# Altium PCB DevKit - PCB.PcbDoc (part 2 of 2)
Units mil, origin at the board's own origin, x right, y up, seen from the top; angles counter-clockwise.
Board outline 3858.27 x 2047.24 mil, 2 copper layers (Top Layer, Bottom Layer), stack 61.855 mil thick; 117 components, 64 nets, 574 pads, 426 vias.
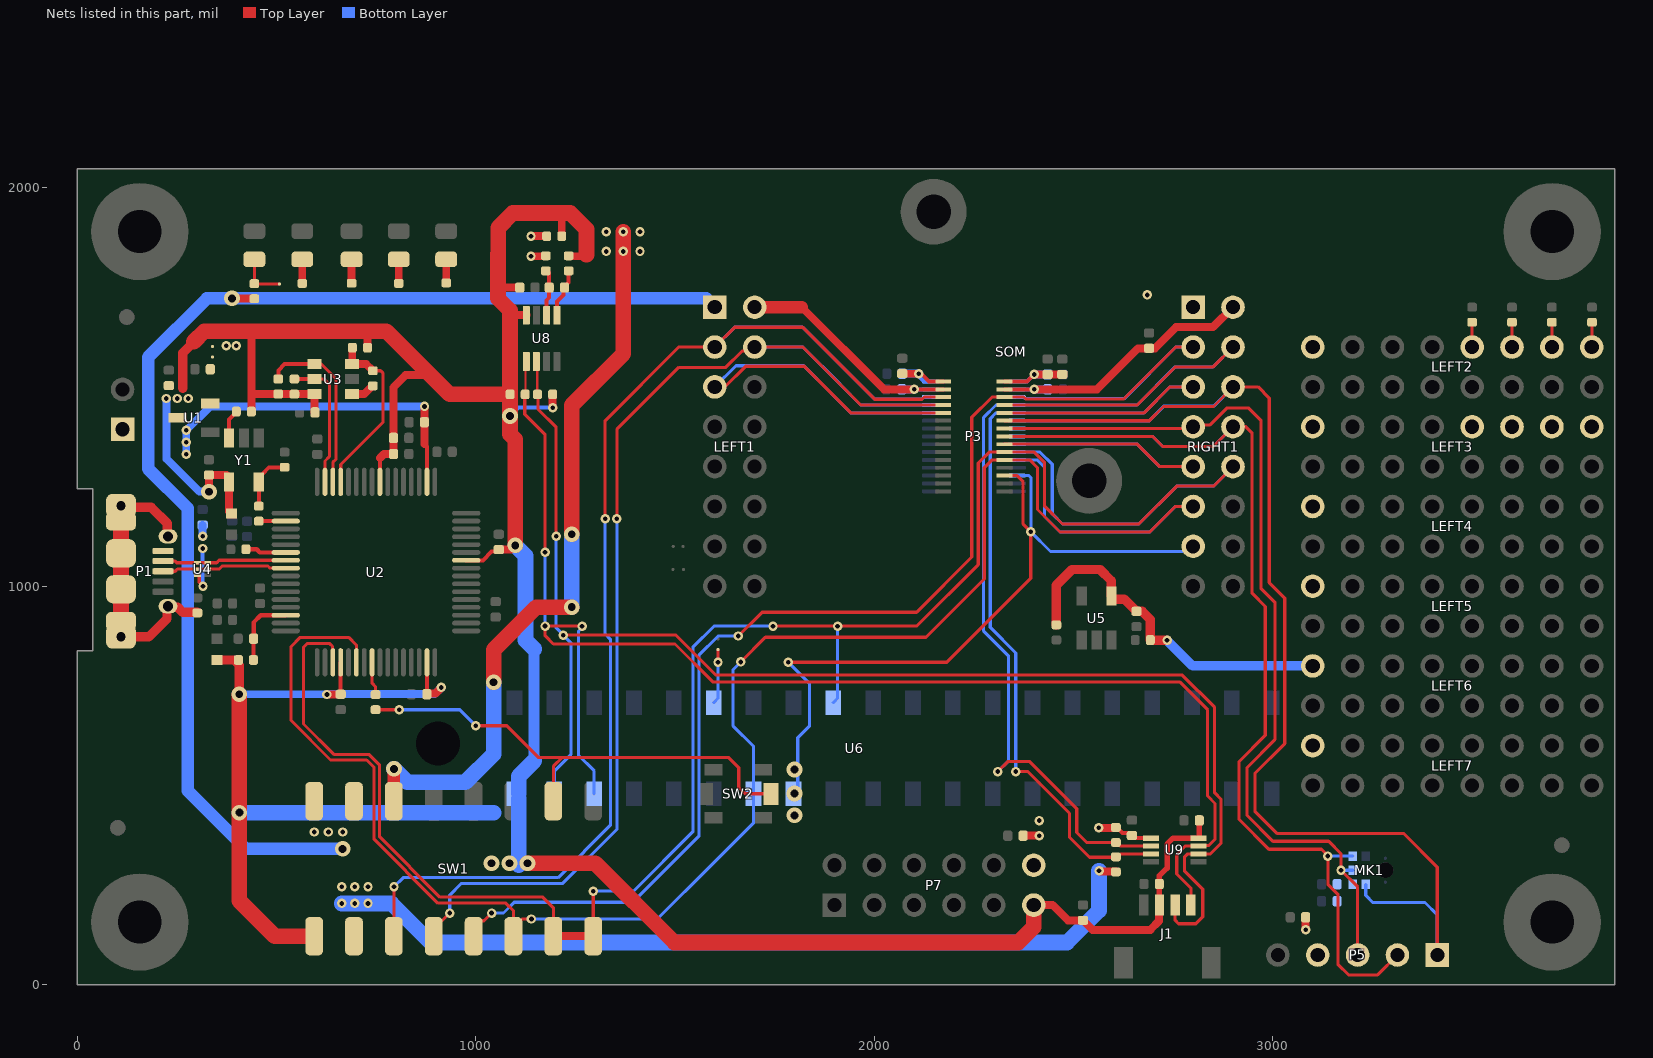
[diagram p2: the nets of this part, all layers, seen from the top]

## Via types
v1: diameter 23.62, hole 11.81, Top Layer to Bottom Layer, tented both sides, 363 vias
v2: diameter 39.37/23.62 (per signal layer), hole 19.68, Top Layer to Bottom Layer, 23 vias
v3: diameter 23.62/23.62 (per signal layer), hole 11.81, Top Layer to Bottom Layer, tented both sides, 21 vias
v4: diameter 39.37, hole 19.68, Top Layer to Bottom Layer, tented both sides, 19 vias

## Nets (pads, with @x,y where several pads share a name; then routed paths per layer and width w, separated by ;. In a path a pad name is that pad's centre, name@x,y a point inside that pad or via, vN(x,y) a via of type N, cw(c..) or ccw(c..) an arc to the next point about the centre after c; other vN are vias at no path point) (continued)
LDO_EN_N: P3.5 RIGHT1.3 SOM.6 SW1.5 | length 3400.9
  Top Layer w7.87: SW1.5@994.88,122.05 994.88,143.06 1012.64,160.82 1020.82,160.82 v1(1040,180) ; v1(1659,875) 1718.76,934.76 2106.31,934.76 2244.78,1073.22 2244.78,1423.78 2295.29,1474.29 SOM.6@2326.77,1474.29 2375.71,1474.29 2380,1470 2626.5,1470 2756.5,1600 RIGHT1.3@2800,1600
  Bottom Layer w7.87: v1(1040,180) 1069.88,180 1096.88,207 1394.32,207 1560,372.68 1560,826.48 1608.52,875 v1(1659,875) ; P3.5@2358.46,1474.29 2375.2,1474.29 2378.77,1470.72 2627.21,1470.72 2756.5,1600 RIGHT1.3@2800,1600
MIC_CLK: MK1.4 P3.11 P5.1 RIGHT1.6 SOM.12 | length 3435.9
  Top Layer w7.87: SOM.12@2326.77,1415.24 2689.87,1415.24 2725.62,1450.98 2850.98,1450.98 RIGHT1.6@2900,1500 2962.94,1500 2991,1471.94 2991,1009 3030,970 3030,605 2955,530 2955,435 3010,380 3327.66,380 3412.6,295.06 P5.1@3412.6,74.8
  Bottom Layer w7.87: P3.11@2358.46,1415.24 2689.84,1415.24 2726.38,1451.77 2851.77,1451.77 RIGHT1.6@2900,1500 ; MK1.4@3232.95,251.97 3232.95,224.28 3250.68,206.55 3381.6,206.55 3412.6,175.55 P5.1@3412.6,74.8
MIC_DOUT: MK1.6 P3.13 P5.3 RIGHT1.7 SOM.14 | length 2732
  Top Layer w7.87: SOM.14@2326.77,1395.55 2795.55,1395.55 RIGHT1.7@2800,1400 2804.02,1404.02 2841.34,1404.02 2884.1,1446.78 2939.52,1446.78 2970,1416.3 2970,995 3005,960 3005,615 2935,545 2935,425 3000,360 3140,360 3170.98,329.02 v1(3170.98,287.4) 3212.6,245.79 P5.3@3212.6,74.8
  Bottom Layer w7.87: P3.13@2358.46,1395.55 2702.05,1395.55 2795.55,1395.55 RIGHT1.7@2800,1400 ; v1(3170.98,287.4) MK1.6@3200.58,287.4
MIC_WS: MK1.1 P3.15 P5.2 RIGHT1.8 SOM.16 | length 3028.9
  Top Layer w7.87: SOM.16@2326.77,1375.87 2697.95,1375.87 2723.43,1350.39 2850.39,1350.39 RIGHT1.8@2900,1400 ; RIGHT1.8@2900,1400 2931.86,1400.03 2947.89,1384 2947.89,982.11 2981,949 2981,626 2915,560 2915,415 2990,340 3121.97,340 3138,323.97 3138,252.12 3163,227.12 3163,51.62 3189.62,25 3262.8,25 P5.2@3312.6,74.8
  Bottom Layer w7.87: P3.15@2358.46,1375.87 2697.95,1375.87 2723.43,1350.39 2850.39,1350.39 RIGHT1.8@2900,1400 ; v1(3138,323) 3200.42,323 MK1.1@3200.58,322.83
NetC3_1: C3.1 SB1.2 U1.2
NetC14_1: C14.1 R8.2 U8.2 | length 120.6
  Top Layer w9.84: R8.2@1176.08,1792.32 1179.44,1792.32 1184.55,1787.21 C14.1@1184.55,1749.32 1184.55,1723.59 1178.25,1717.29 U8.2@1178.25,1679.83
NetC14_2: C14.2 R9.2 U8.1 | length 124.7
  Top Layer w10: U8.1@1203.84,1679.83 1203.84,1713.72 1220.15,1730.03 1220.15,1746.34 C14.2@1223.13,1749.32 1223.13,1751.28 1233.39,1761.54 R9.2@1233.39,1792.32
NetC36_2: C36.2 R11.2 U2.14 | length 182.5
  Top Layer w11.02: R11.2@442.52,814.96 442.72,815.16 442.72,868.11 C36.2@442.91,868.31 442.91,909.05 461.02,927.17 U2.14@523.62,927.17
NetDONE_1: DONE.1 R2.2 SB5.1 | length 124.8
  Top Layer w7.87: DONE.1@444.88,1819.88 R2.2@444.88,1759.06 ; R2.2@445.26,1758.68 R2.2@444.88,1759.06 ; SB5.1@508,1758.3 445.64,1758.3 R2.2@444.88,1759.06
NetGP_0_1: GP_0.1 R19.2 | length 58.9
  Top Layer w19.68: R19.2@926.18,1761.02 GP_0.1@926.18,1819.88
NetGP_1_1: GP_1.1 R18.2 | length 60
  Top Layer w19.68: R18.2@807.09,1759.84 GP_1.1@807.09,1819.88
NetGP_2_1: GP_2.1 R17.2 | length 59.8
  Top Layer w19.68: R17.2@688.98,1760.04 GP_2.1@688.98,1819.88
NetINT_1: INT.1 R16.2 | length 60
  Top Layer w19.68: R16.2@564.96,1759.84 INT.1@564.96,1819.88
NetLEFT2_9: LEFT2.9 R10.1 | length 62.2
  Top Layer w7.87: LEFT2.9@3500,1600 R10.1@3500,1662.2
NetLEFT2_11: LEFT2.11 R20.1 | length 62.2
  Top Layer w7.87: LEFT2.11@3600,1600 R20.1@3600,1662.2
NetLEFT2_13: LEFT2.13 R25.1 | length 62.2
  Top Layer w7.87: LEFT2.13@3700,1600 R25.1@3700,1662.2
NetLEFT2_15: LEFT2.15 R26.1 | length 62.5
  Top Layer w7.87: LEFT2.15@3800,1600 3800.78,1600.78 R26.1@3800.78,1662.2
NetP1_SH: P1.SH R3.2 | length 665.6
  Top Layer w23.62: P1.SH@110.24,873.03 180.27,873.03 225.78,918.54 225.78,947.24 P1.SH@228.35,949.8 230.61,947.54 251.93,947.54 265.18,934.28 R3.2@302,934.28 ; P1.SH@110.24,1201.77 114.27,1197.74 186.26,1197.74 226.76,1157.24 226.76,1126.59 P1.SH@228.35,1125
  Top Layer w39.37: P1.SH@110.24,911.94 P1.SH@110.24,992.13 P1.SH@110.24,1082.68 P1.SH@110.24,1162.86
NetR1_1: R1.1 R29.2 U2.61 U3.3 | length 446.2
  Top Layer w7.87: U2.61@661.42,1261.81 661.42,1305.42 768,1412 768,1534 761.53,1540.47 742.21,1540.47 R1.1@742.13,1540.55
  Top Layer w19.68: R29.2@690.75,1598.43 690.35,1598.03 690.35,1557.48 U3.3@689.96,1557.09 725.59,1557.09 739.76,1542.91 739.76,1541.93 741.14,1540.55 R1.1@742.13,1540.55
NetR1_2: R1.2 U3.1 | length 60.6
  Top Layer w19.68: U3.1@689.96,1482.28 720.67,1482.28 741.14,1502.76 R1.2@742.13,1502.76
NetR4_1: R4.1 U2.24 | length 84.8
  Top Layer w7.87: U2.24@740.16,809.06 740.16,756.1 749,747.26 R4.1@749,727.95
NetR21_1: R21.1 R23.1 Y1.5 | length 147.1
  Top Layer w10: R21.1@456,1200.9 R21.1@456,1200.9 455.96,1261.33 Y1.5@455.92,1261.37 455.92,1272.2 463.71,1280 482.11,1298.39 R23.1@520.87,1298.39
NetR21_2: R21.2 U2.2 | length 67.7
  Top Layer w10: R21.2@456,1163.1 456.14,1163.24 523.48,1163.24 U2.2@523.62,1163.39
NetR22_2: R22.2 U2.6 | length 103.3
  Top Layer w11.02: R22.2@423.62,1092.52 450.79,1092.52 458.66,1084.65 U2.6@523.62,1084.65
NetR24_2: R24.2 Y1.3 | length 74.2
  Top Layer w10: Y1.3@381.11,1371.61 381.11,1418.28 399.62,1436.79 R24.2@399.62,1438.1
NetR27_2: R27.2 U2.63 U3.5 | length 342.7
  Top Layer w7.87: U3.5@595.47,1519.69 595.54,1519.61 620.39,1519.61 633,1507 633,1325 622.05,1314.05 U2.63@622.05,1261.81
  Top Layer w10: R27.2@545.28,1519.69 U3.5@595.47,1519.69
NetR28_2: R28.2 U2.62 U3.4 | length 449.8
  Top Layer w7.87: U3.4@595.47,1557.09 613.3,1557.09 649.61,1520.78 649.61,1318.61 641.73,1310.73 U2.62@641.73,1261.81
  Top Layer w10: R28.2@504.92,1519.88 504.92,1541.14 520.87,1557.09 U3.4@595.47,1557.09
NetSB4_1: SB4.1 U6.12 | length 137.5
  Top Layer w8: v1(1608,809.06) SB4.1@1608,841
  Bottom Layer w8: U6.12@1597.24,707.99 1608,718.75 v1(1608,809.06)
PIX_RESET_N: LEFT1.4 P3.8 SOM.7 SW1.4 | length 3080.2
  Top Layer w7.87: SW1.4@894.88,122.05 894.88,143.95 912.64,161.71 916.71,161.71 v1(935,180) ; v1(1354.33,1169.29) 1354.33,1393.38 1509.87,1548.92 1627.29,1548.92 1668.58,1590.21 1690.21,1590.21 LEFT1.4@1700,1600 1821,1600 1966.39,1454.61 SOM.7@2173.23,1454.61
  Bottom Layer w7.87: v1(935,180) 935,224.84 964.62,254.46 1218.46,254.46 1355,391 1355,883.17 1354.33,883.84 v1(1354.33,1169.29) ; LEFT1.4@1700,1600 1821,1600 1914.37,1506.63 1914.37,1505.89 1965.66,1454.61 P3.8@2141.54,1454.61
PROG_CRAM: P3.21 RIGHT1.11 SOM.22 SW1.6 U2.22 U6.13 | length 4765.7
  Top Layer w7.87: U2.22@700.79,809.06 700.79,852.36 681.39,871.76 560.15,871.76 537,848.61 537,663.03 636.03,564 726.36,564 745.22,545.13 745.22,365.16 905.38,205 1075.92,205 1094.88,186.04 SW1.6@1094.88,143.06 ; SW1.6@1094.88,122.05 SW1.6@1094.88,143.06 ; v1(1140,165) 1116.82,165 SW1.6@1094.88,143.06 ; v1(1665,810) 1727,872 2130,872 2276,1018 2276,1297 2295.81,1316.81 SOM.22@2326.77,1316.81 2390.19,1316.81 2409.62,1297.38 2409.62,1192.34 2465.96,1136 2691,1136 2755,1200 RIGHT1.11@2800,1200
  Bottom Layer w7.87: v1(1140,165) 1456,165 1591,300 1697.24,406.24 U6.13@1697.24,479.25 1697.24,597.73 1646,648.97 1646,791 v1(1665,810) ; P3.21@2358.46,1316.81 2408.19,1316.81 2427,1298 2427,1174.96 2465.96,1136 2691,1136 2755,1200 RIGHT1.11@2800,1200
PROGN: P3.19 RIGHT1.10 SOM.20 SW1.7 SW1.8 U2.19 U6.18 | length 5145.3
  Top Layer w7.87: U2.19@641.73,809.06 640.98,809.81 640.98,849.02 634,856 577,856 568,847 568,654.33 644.32,578.01 731.83,578.01 759,550.84 759,371.27 910.27,220 1168.36,220 1194.88,193.48 SW1.7@1194.88,122.05 ; SW1.8@1294.88,122.05 1294.94,122.11 1294.94,234.94 v1(1295,235) ; v1(1746,899.9) 1907.9,899.9 1908,900 2107,900 2261,1054 2261,1309 2288.5,1336.5 SOM.20@2326.77,1336.5 2401.03,1336.5 2427.44,1310.09 2427.44,1200.75 2472.18,1156 2664,1156 2759,1251 2851,1251 RIGHT1.10@2900,1300
  Top Layer w19.68: SW1.7@1194.88,122.05 SW1.8@1294.88,122.05
  Bottom Layer w7.87: v1(1295,235) 1395.86,235 1545,384.14 1545,847 1597.9,899.9 v1(1746,899.9) ; U6.18@1897.24,707.99 1907.95,718.7 v1(1908,899.9) v1(1908,899.9) ; P3.19@2358.46,1336.5 2415.94,1336.5 2446.61,1305.83 2446.61,1181.57 2472.18,1156 2664,1156 2759,1251 2851,1251 RIGHT1.10@2900,1300
RESET_N: P3.25 R4.2 RIGHT1.13 SOM.26 SW1.10 SW2.1 U6.15 | length 3196.4
  Top Layer w7.87: R4.2@749,690.16 749.16,690 v1(808,690) ; v1(1000,650) 1078.35,650 1158.38,569.97 1216.73,569.97 ; SW1.10@1194.88,460.63 1194.88,548.11 1216.73,569.97 ; SW2.1@1740.69,479.25 1675.75,479.25 1660,495 1660,545 1635.03,569.97 1216.73,569.97 ; v1(1784.45,809.06) 2181.91,809.06 2392.77,1019.92 v1(2392.77,1136.49) 2373.62,1155.63 2373.62,1262.38 2358.56,1277.44 SOM.26@2326.77,1277.44
  Bottom Layer w7.87: v1(808,690) 960,690 v1(1000,650) ; v1(1784.45,809.06) 1838,755.5 1838,650 1807.99,619.99 1807.99,540 U6.15@1807.99,479.25 ; P3.25@2358.46,1277.44 2388.39,1277.44 2393,1272.83 2393,1136.72 v1(2392.77,1136.49) 2442.34,1086.92 2773.07,1086.92 2786.15,1100 RIGHT1.13@2800,1100
  other v2: 1800,425 1800,480 1800,540
SCL: J1.4 R12.1 U6.5 U8.5 U9.7 | length 3569.2
  Top Layer w5.91: R12.1@1123.03,1481.3 1125.05,1483.32 1125.05,1561.67 U8.5@1127.07,1563.69
  Top Layer w7.87: R12.1@1123.03,1481.3 1123.03,1431.12 1174.21,1379.94 v1(1174.21,1085.19) ; v1(1267,899.9) 1266.9,900 v1(1174.21,900) 1174.21,875.79 1195,855 1500,855 1595,760 2766.03,760 2836.26,689.77 2836.26,473.74 2855,455 2855,365 2839.32,349.32 2814.58,349.32 U9.7@2813.38,348.12 2780.12,348.12 2759,327 2759,278 2794.3,242.7 J1.4@2794.3,200
  Bottom Layer w7.87: v1(1174.21,900) v1(1174.21,1085.19) ; v1(1267,899.9) 1267,896.41 1258,887.41 1258,575.82 1297.24,536.58 U6.5@1297.24,479.25
SDA: J1.3 R13.1 U6.3 U8.6 U9.6 | length 3587.1
  Top Layer w5.91: U8.6@1152.66,1563.69 1154.58,1561.77 R13.1@1154.58,1483.22
  Top Layer w7.87: R13.1@1154.58,1483.22 1156.5,1481.3 1156.5,1444.29 1201.97,1398.82 v1(1201.97,1125) ; v1(1220.15,877.21) 1502.79,877.21 1603,777 2773,777 2854,696 2854,481.38 2870,465.38 2870,355 2843.43,328.43 U9.6@2813.38,328.43 2786.43,328.43 2778,320 2778,285.79 2824.02,239.77 2824.02,170.47 2806.9,153.35 2763.19,153.35 2754.93,161.61 J1.3@2754.93,200
  Bottom Layer w7.87: U6.3@1197.24,479.25 1197.24,535.83 1239,577.58 1239,858.36 1201.97,895.39 v1(1201.97,1125)
SENSOR_INTR: LEFT1.5 P3.10 SOM.9 | length 1256
  Top Layer w7.87: LEFT1.5@1600,1500 1625.62,1500 1677.39,1551.77 1824.23,1551.77 1941.08,1434.92 SOM.9@2173.23,1434.92
  Bottom Layer w7.87: LEFT1.5@1600,1500 1653.15,1553.15 1822.85,1553.15 1892.72,1483.28 1892.72,1482.57 1940.37,1434.92 P3.10@2141.54,1434.92
SENSOR_LED: P3.17 RIGHT1.9 SOM.18 | length 962.8
  Top Layer w7.87: SOM.18@2326.77,1356.18 2327.75,1357.16 2658.88,1357.16 2716.04,1300 RIGHT1.9@2800,1300
  Bottom Layer w7.87: P3.17@2358.46,1356.18 2359.28,1357 2659,1357 2716,1300 RIGHT1.9@2800,1300
SOM_SCL: P3.7 R14.1 RIGHT1.4 SOM.8 U9.2 | length 2775.5
  Top Layer w7.87: v1(2310,535) 2335,560 2390,560 2508,442 2508,382 2532.91,357.09 2608.19,357.09 2617.16,348.12 U9.2@2694.5,348.12 ; SOM.8@2326.77,1454.61 2660.12,1454.61 2755.71,1550.2 2850.2,1550.2 RIGHT1.4@2900,1600
  Bottom Layer w7.87: v1(2310,535) 2337,562 2337,824.63 2274.41,887.22 2274.41,1423.41 2305.61,1454.61 P3.7@2358.46,1454.61 2659.61,1454.61 2755.2,1550.2 2850.2,1550.2 RIGHT1.4@2900,1600
SOM_SDA: P3.9 R15.1 RIGHT1.5 SOM.10 U9.3 | length 2421.5
  Top Layer w7.87: SOM.10@2326.77,1434.92 2677.05,1434.92 2742.13,1500 RIGHT1.5@2800,1500 ; v1(2355,535) 2385,535 2490,430 2490,370 2540.12,319.88 2610.63,319.88 2619.18,328.43 U9.3@2694.5,328.43
  Bottom Layer w7.87: v1(2355,535) 2355,832.49 2290.85,896.63 2290.85,1420.37 2305.41,1434.92 P3.9@2358.46,1434.92 2676.92,1434.92 2742,1500 RIGHT1.5@2800,1500
USB_N: P1.2 U2.7 U4.3 U4.4 | length 312.4
  Top Layer w7.87: P1.2@215.55,1062.99 246.06,1062.99 250.31,1058.75 U4.4@302.2,1058.75 350.1,1058.75 356.31,1064.96 U2.7@523.62,1064.96
USB_P: P1.3 U2.8 U4.2 U4.5 | length 315.7
  Top Layer w7.87: P1.3@215.55,1037.4 246.06,1037.4 251.66,1043 U4.5@302.2,1043 356.62,1043 364.22,1050.59 478.93,1050.59 484.25,1045.28 U2.8@523.62,1045.28
VDD12: C32.1 LEFT1.2 LEFT5.1 P3.4 SOM.3 | length 631
  Top Layer w9.84: v1(2100,1493.98) SOM.3@2173.23,1493.98
  Top Layer w20: 1818.13,1700 2024.15,1493.98 v1(2100,1493.98)
  Top Layer w31.5: LEFT1.2@1700,1700 1818.13,1700
  Bottom Layer w9.84: v1(2100,1493.98) P3.4@2141.54,1493.98
  Bottom Layer w20: C32.1@2069.21,1493.85 2069.27,1493.91 2099.93,1493.91 v1(2100,1493.98)
VDD18: C16.1 C17.1 C18.1 C27.1 C29.1 C37.1 LEFT3.1 MK1.5 P3.3 P5.4 R14.2 R15.2 RIGHT1.2 SOM.4 SW1.2 U9.1 | length 3024.9
  Top Layer w10: SOM.4@2326.77,1493.98 v1(2401.31,1493.98) ; R14.2@2606.3,393.7 2610.05,393.7 2622.74,381.01 2641.43,381.01 2646.46,375.98 2647.45,375.98 2655.63,367.8 U9.1@2694.5,367.8
  Top Layer w19.68: v1(2562.96,393.7) R14.2@2606.3,393.7 ; v1(2563.98,285.8) 2565.04,285.8 2566.19,284.65 2606.1,284.65 R15.2@2606.3,284.45
  Top Layer w20: v1(2401.31,1493.98) 2558.55,1493.98 2661.48,1596.91 C37.1@2689.4,1596.91 2704.51,1596.91 2757.6,1650 2850,1650 RIGHT1.2@2900,1700 ; v1(3082.28,137.87) C18.1@3082.28,169.29
  Bottom Layer w10: P3.3@2358.46,1493.98 v1(2401.31,1493.98)
  Bottom Layer w20: v1(2401.31,1493.98) 2401.35,1493.93 2434.81,1493.93 C27.1@2434.86,1493.88
  Bottom Layer w39.37: v1(664,204.16) v1(697,204.16) v1(730,204.16) 788.92,204.16 886.99,106.08 2483.8,106.08 2563.98,186.26 v1(2563.98,285.8)
  other v1: 664,246.14 697,246.14 730,246.14
VDD33: C1.1 C6.1 C7.1 C8.1 C12.1 C13.1 C15.1 C19.1 C22.1 C25.2 C28.1 C34.1 C35.2 C39.2 FB1.2 FB2.2 J1.2 LEFT2.1 LEFT3.9 LEFT3.11 LEFT3.13 LEFT3.15 LEFT6.1 LEFT7.1 P2.1 P7.11 P7.12 R5.2 R6.2 R7.1 R9.1 R11.1 R12.2 R13.2 R24.1 R27.1 R28.1 R29.1 SB1.1 SW1.1 U2.20 U2.31 U2.42 U2.56 U3.6 U5.4 U6.1 U8.4 U9.8 Y1.4 | length 10076.4
  Top Layer w10: C7.1@661.42,728.94 U2.20@661.42,809.06 ; U2.56@759.99,1261.96 759.99,1321.41 ; C8.1@877.95,729.13 877.95,729.53 U2.31@877.95,809.06 ; U2.42@976.38,1064.96 1017.96,1064.96 1040.22,1087.22 1053.51,1087.22 C34.1@1058,1091.71 ; 1055.86,1751.4 1057.93,1749.32 ; 1086.42,1679.32 1086.93,1679.83 ; 1216.04,1935.84 1216.53,1936.33
  Top Layer w13.78: J1.2@2715.35,200.19 2715.35,252.76 C12.1@2715.16,252.95 2715.25,253.05 2715.25,273.65 2734.6,292.99 2734.6,352.72 2749.68,367.8 U9.8@2813.38,367.8 2814.05,367.8 2815.55,369.3 C28.1@2815.55,412.4
  Top Layer w20: v4(331,1237) C35.2@331,1278.71 374.6,1278.71 381.11,1272.2 Y1.4@381.11,1261.37 381.11,1187.48 386.02,1182.57 FB2.2@387,1182.57 ; R24.1@437.41,1438.1 437.41,1482.09 ; 438.86,1640 437.41,1638.55 437.41,1482.09 ; C25.2@597.05,1436.02 596.26,1436.81 596.26,1481.1 595.28,1482.09 545.47,1482.09 R27.1@545.28,1481.89 545.18,1481.99 505.02,1481.99 R28.1@504.92,1482.09 437.41,1482.09 ; v1(626.97,728.35) 627.26,728.64 661.12,728.64 C7.1@661.42,728.94 ; 726.64,1640 728.54,1638.09 R29.1@728.54,1598.43 ; 759.99,1321.41 770.28,1331.69 C6.1@793.7,1331.69 793.7,1499 824.53,1529.82 886.18,1529.82 888.22,1527.78 ; C8.1@877.95,729.13 C8.1@877.56,729.13 877.95,729.53 878.98,730.55 878.98,731.09 899.09,731.09 v1(914,746) ; 1055.86,1834.27 1056.61,1835.02 ; C34.1@1057.48,1091.93 1088.78,1091.93 v4(1099.21,1102.36) ; 1057.93,1749.32 C15.1@1110.63,1749.32 ; 1086.93,1679.83 U8.4@1127.07,1679.83 ; R13.2@1193.11,1481.3 1193.16,1481.25 v1(1193.2,1447.75) v1(1193.2,1447.75) ; R7.1@1216.04,1878.05 1216.04,1935.84 ; R9.1@1233.39,1827.76 1233.43,1827.8 1274.17,1827.8 1277.98,1831.61 ; C13.1@2373.62,374.02 v1(2414,374) ; P7.11@2400,200 2447.76,200 2485.95,161.81 C19.1@2523.62,161.81 2525.2,161.81 2526.61,160.39 2526.61,158.82 2547.57,137.87 2692.52,137.87 2714.69,160.04 2714.69,199.54 J1.2@2715.35,200.19
  Top Layer w23.62: 265,1497 265,1585 293,1613 ; FB1.2@351.38,814.96 394.21,814.96 407.13,802.04 v4(407.13,728.98) ; R6.2@2457,902.9 2457,1002.81 2496.19,1042 2566.59,1042 2594.8,1013.8 2594.8,975.72 U5.4@2595.39,975.12 2595.4,968.69 2596.39,967.7 2627.27,967.7 2656.72,938.25 2656.72,937.46 2657.12,937.07 C39.2@2657.91,937.07 2671.93,937.07 2692.62,916.38 R5.2@2692.62,864.88 2693.02,864.49 2696.45,864.49 2696.83,864.1 v1(2734.6,864.1)
  Top Layer w39.37: 293,1613 320,1640 438.86,1640 726.64,1640 776,1640 886.18,1529.82 ; v4(407.13,728.98) 407.13,210.78 495.87,122.05 SW1.1@594.88,122.05 ; 888.22,1527.78 934.7,1481.3 R12.2@1086.42,1481.3 ; 1055.86,1834.27 1055.86,1751.4 1055.86,1722.05 1086.42,1691.49 1086.42,1679.32 R12.2@1086.42,1481.3 ; 1056.61,1835.02 1056.61,1899.56 1093.38,1936.33 1216.53,1936.33 1237.46,1936.33 1277.98,1895.8 1277.98,1831.61 ; v4(1099.21,1102.36) 1099.21,1368.27 1086.42,1381.07 R12.2@1086.42,1481.3 ; v4(1130,305) 1300,305 1499,106 2361,106 2400,145 P7.11@2400,200
  Bottom Layer w10: v4(1086,1427) 1086.21,1427 1106.95,1447.75 v1(1193.2,1447.75)
  Bottom Layer w20: v1@225,1470.71 225,1319 307,1237 v4(331,1237) ; v4@407.16,728.96 626.35,728.96 v1(626.97,728.35) ; v1@626.97,728.94 627.17,729.13 897.13,729.13 v1(914,746)
  Bottom Layer w23.62: v1(2734.6,864.1) 2798.7,800 LEFT6.1@3100,800
  Bottom Layer w27.56: 1147,562 1147,842.22
  Bottom Layer w39.37: v4(407.16,432) 1045,432 ; v4(1099.21,1102.36) 1125.05,1076.53 1125.05,864.17 1147,842.22 ; 1108,300 U6.1@1108,468.24 ; U6.1@1107.99,479.26 1107.99,512.55 1108,523 1147,562
  other v1: 2414,412 224,1471 251.5,1471 279,1471 374.6,1603.07 399.62,1603.07
  other v4: 1040,305 1085,305
VDD33_SOM: C11.1 C26.1 C31.1 P3.1 R7.2 R8.1 RIGHT1.1 SOM.2 SW1.14 | length 2184.2
  Top Layer w10: SOM.2@2326.77,1513.66 2383.73,1513.66 v1(2401.31,1531.23)
  Top Layer w19.68: SW1.14@794.88,460.63 SW1.14@795.08,460.83
  Top Layer w20: v1(1138.78,1827.76) R8.1@1176.08,1827.76 ; v1(1138.78,1878.05) R7.2@1178.25,1878.05 ; v1(2401.31,1531.23) C31.1@2434.84,1531.23 C11.1@2471.85,1531.23
  Top Layer w31.5: SW1.14@795.08,460.83 795.08,541.57 v4(795.28,541.77)
  Top Layer w39.37: v4(1045.23,758.86) 1045.23,840.74 1152.03,947.54 v4(1241.24,947.54) ; v4(1241.24,1130.51) 1241.24,1454.03 1370.06,1582.86 v1(1370.06,1839.82) v1(1370.06,1889)
  Bottom Layer w9.84: P3.1@2358.46,1513.66 2383.73,1513.66 v1(2401.31,1531.23)
  Bottom Layer w20: v1@2401.33,1531.26 C26.1@2434.86,1531.28
  Bottom Layer w39.37: v4(795.28,541.77) 829.04,508 974.06,508 1045.23,579.17 v4(1045.23,758.86) ; v4(1241.24,947.54) v4(1241.24,1130.51)
  other v1: 2685,1730.81 1327.76,1839.82 1412.37,1839.82 1327.76,1889 1412.37,1889
VDD_IR_LED: LEFT1.3 P3.6 SOM.5 SW1.3 | length 3413.2
  Top Layer w7.87: SW1.3@794.88,122.05 794.88,245.75 v1(795.28,246.14) ; v1(1324.8,1169.29) 1324.8,1415.16 1509.65,1600 LEFT1.3@1600,1600 1649.61,1649.61 1820.39,1649.61 2001.12,1468.88 2119.24,1468.88 2124.66,1474.29 SOM.5@2173.23,1474.29
  Bottom Layer w7.87: v1(795.28,246.14) 818.14,269 1207,269 1338,400 1338,867 1324.8,880.2 v1(1324.8,1169.29) ; LEFT1.3@1600,1600 1649.61,1649.61 1820.39,1649.61 1939.79,1530.21 2001.12,1468.88 2118.71,1468.88 2123.14,1473.31 2140.55,1473.31 P3.6@2141.54,1474.29
VDDIO: C30.1 C33.1 LEFT1.1 LEFT4.1 P3.2 R2.1 SOM.1 SW1.15 SW1.16 | length 3320.2
  Top Layer w10: v1(2112,1533) 2118,1533 2137.34,1513.66 SOM.1@2173.23,1513.66
  Top Layer w19.68: v4(388.77,1722.05) 389.17,1721.65 444.49,1721.65 R2.1@444.88,1721.26
  Top Layer w20: C30.1@2070.24,1533.25 2070.49,1533 v1(2112,1533)
  Bottom Layer w10: v1(2112,1533) 2114.61,1530.39 2114.61,1524.02 2124.96,1513.66 P3.2@2141.54,1513.66
  Bottom Layer w20: C33.1@2070.19,1533.22 2070.32,1533.08 2111.92,1533.08 v1(2112,1533)
  Bottom Layer w31.5: v4(666.34,341) 423.42,341 278,486.42 278,1195 178.64,1294.36 178.64,1574.64 326.05,1722.05 v4(388.77,1722.05) 1577.95,1722.05 LEFT1.1@1600,1700
  other v1: 594.88,383.25 630.61,383.25 666.34,383.25
VDDUSB: C2.1 C38.1 P1.1 U1.3 U2.50 U4.6 | length 1033
  Top Layer w7.87: U4.6@302.2,1027.25 306.14,1027.25 306.54,1026.86 306.54,1009.46 v1(316,1000)
  Top Layer w9.84: 871.65,1356.3 877.95,1350 U2.50@877.95,1261.81
  Top Layer w20: 871.65,1356.3 C38.1@871.65,1411.52 v1(871.65,1451)
  Bottom Layer w10: v1(315.16,1094.57) 315.16,1000.84 v1(316,1000)
  Bottom Layer w20: v1(274,1331.38) v1(274,1391) 334,1451 v1(871.65,1451) ; C2.1@315,1153.71 315.23,1153.48 315.23,1125.23 v1(315.45,1125)
  other v1: 274,1361.19
pads on no net: J1.NC1 J1.NC2 LEFT2.2 LEFT2.3 LEFT2.4 LEFT2.5 LEFT2.6 LEFT2.7 LEFT2.8 LEFT3.2 LEFT3.3 LEFT3.4 LEFT3.5 LEFT3.6 LEFT3.7 LEFT3.8 LEFT3.10 LEFT3.12 LEFT3.14 LEFT4.2 LEFT4.3 LEFT4.4 LEFT4.5 LEFT4.6 LEFT4.7 LEFT4.8 LEFT4.9 LEFT4.10 LEFT4.11 LEFT4.12 LEFT4.13 LEFT4.14 LEFT4.15 LEFT5.2 LEFT5.3 LEFT5.4 LEFT5.5 LEFT5.6 LEFT5.7 LEFT5.8 LEFT5.9 LEFT5.10 LEFT5.11 LEFT5.12 LEFT5.13 LEFT5.14 LEFT5.15 LEFT6.2 LEFT6.3 LEFT6.4 LEFT6.5 LEFT6.6 LEFT6.7 LEFT6.8 LEFT6.9 LEFT6.10 LEFT6.11 LEFT6.12 LEFT6.13 LEFT6.14 LEFT6.15 LEFT7.2 LEFT7.3 LEFT7.4 LEFT7.5 LEFT7.6 LEFT7.7 LEFT7.8 LEFT7.9 LEFT7.10 LEFT7.11 LEFT7.12 LEFT7.13 LEFT7.14 LEFT7.15 MK1. P1.4 SOM.M1 SOM.M2 SW2.G1 SW2.G2 SW2.G3 SW2.G4 U2.3 U2.26 U2.27 U2.28 U2.29 U2.30 U2.32 U2.33 U2.34 U2.36 U2.43 U2.44 U2.45 U2.46 U2.48 U2.52 U2.53 U2.54 U2.55 U2.57 U2.58 U2.59 U2.60 U6.2 U6.4 U6.7 U6.11 U6.17 U6.22 U6.26 U6.29 U6.31 U6.32 U6.33 U6.36 U6.37 U6.40 U6.MH1 Y1.2 Z_FDM1.1 Z_FDM2.1 Z_FDM3.1 Z_FDM4.1 Z_FDM5.1 Z_FDM6.1

## Polygon pours and split planes (outlines as drawn)
GND on Top Layer "GND_L01" (solid, remove dead copper, pour order 35): 0,1244.09 39.37,1244.09 39.28,1244 39.28,838.58 0,838.58 0,0 3858.27,0 3858.27,2047.24 0,2047.24
VDD33_SOM on Top Layer "VDD18_L02" (solid, remove dead copper, pour order 25): 2464.92,1520 2464.92,1542 2512.24,1542 2544.23,1573.99 2544.23,1696.26 2593.97,1746 2824.54,1746 2832.44,1738.1 2832.44,1672.29 2829.38,1669.22 2741.42,1669.22 2722.92,1687.72 2613.32,1687.72 2589.59,1663.98 2589.59,1555.44 2554.15,1520
VDDIO on Top Layer "VDDIO_L01_P028" (solid, remove dead copper, pour order 28): 2206.06,1647.06 2416.72,1857.72 2947.42,1857.72 3141,1664.15 3141,1257.51 3116.9,1233.41 3082.02,1233.41 3066.61,1218 3066.28,1162.79 3082.9,1146.16 3219.57,1145.34 3254.61,1180.37 3254.61,1670.54 3017.74,1907.4 2392.6,1907.4 2261.4,1776.2 1551.2,1776.2 1535.66,1760.66 1535.66,1640 1610.89,1640 1645.62,1674.73 1645.62,1725.1 1655.52,1735 2066.64,1735 2100,1701.64 2100,1525 2116,1509 2192.81,1509 2206.06,1522.1
VDD33 on Top Layer "VDD33_L01" (solid, remove dead copper, pour order 23): 208.79,1519.54 125.23,1435.98 64.67,1435.98 49.21,1420.53 49.21,1340.6 64.07,1325.74 171.66,1325.74 186.26,1340.34 186.26,1426.9 217.76,1458.39 286.99,1458.39 300.43,1471.83 300.43,1519.54
VDD12 on Top Layer "VDD12_L01_P032" (solid, remove dead copper, pour order 32): 2173.23,1489.05 2173.23,1498.97 2204.78,1499 2221.95,1516.18 2221.95,1640.07 2423.45,1841.57 2942.03,1841.57 3055,1728.6 3055,1058.4 3074.81,1038.59 3114.67,1038.59 3132.2,1021.06 3132.2,981.2 3115,964 3073.67,964 3012.64,1025.03 3012.64,1705.36 2922.01,1795.99 2453.01,1795.99 2265.85,1608.82 2265.85,1516.77 2238.12,1489.05
VDD33_SOM on Top Layer "VDD18_L02" (solid, remove dead copper, pour order 21): 1308.27,1914.14 1308.27,1805.7 1430.27,1805.7 1440.45,1815.87 1440.45,1903.81 1430.11,1914.14
VDDIO on Top Layer "VDDIO_L01" (solid, remove dead copper, pour order 17): 520.87,325.92 546,300.78 721,300.78 721,523.06 697.06,547 553,547 520.87,514.87
VDDUSB on Top Layer "VDDUSB_L01_P027" (solid, remove dead copper, pour order 27): 293.17,1421.36 293.17,1231.47 328.92,1195.72 328.92,1089.84 319.95,1080.87 200.39,1080.87 200.13,1096.4 247.46,1096.4 262.18,1111.12 262.18,1168.23 205.03,1225.38 205.03,1422.03 221.1,1438.1 276.43,1438.1
GND on Bottom Layer "GND_L02" (solid, remove dead copper, pour order 36): 5,1241 44.37,1241 44.28,1240.91 44.28,835.49 5,835.49 5,-3.09 3863.27,-3.09 3863.27,2044.15 5,2044.15
VDD33 on Bottom Layer "VDD33_L02" (solid, remove dead copper, pour order 26): 2362,393 2362,439 2423.36,439 2420.76,619.88 2445.88,645 3229.53,645 3250.68,666.15 3250.68,732.31 3233.63,749.35 3053.37,749.35 3032.76,769.96 3032.76,830.76 3052.19,850.18 3229.61,850.18 3250.68,871.24 3250.68,1515.86 3216.34,1550.2 3080.2,1550.2 3059.53,1570.86 3059.53,1656.65 3081.15,1678.27 3312.32,1678.27 3348,1642.6 3348,578.22 3314.13,544.35 2483.99,544.35 2470,530.36 2470,179 2457,166 2375,166 2362,179
VDD18 on Bottom Layer "VDD18_L02" (solid, remove dead copper, pour order 22): 3155.31,127.38 3212.91,184.98 3212.91,265.56 3149.85,265.64 3149.85,191.52 3128.76,170.43 3092.03,171.57 3049.28,214.33 3049.28,299.67 3135.55,385.94 3667.55,385.95 3744.4,462.8 3744.4,1632.67 3592.07,1785 2846.46,1785 2846.46,1663 2954.77,1663 2974.32,1643.45 2974.32,1385.8 2997.95,1362.16 3120.57,1362.16 3144.45,1386.05 3144.45,1435.62 3121.12,1458.96 3062.53,1458.96 3037,1484.49 3037,1695.76 3065.95,1724.7 3552.29,1724.71 3649,1628 3649,480 3609.79,440.79 3111.42,441.5 3055.86,385.94 2637.27,385.94 2604.18,419.03 2535.89,419.03 2517.02,400.16 2517.02,294.74 2534.03,277.74 2586.6,277.74 2637.99,329.12 2989.06,329.38 3004.75,313.69 3004.75,180.96 3059,126.72 3059,63 3080,42 3133,42 3155.32,64.32
VDD33 on Bottom Layer "VDD33_L02_P034" (solid, remove dead copper, pour order 34): 3626,1453 3635,1444 3635,1359 3626,1350 3251,1350 3252,1351 3252,1453
VDD18 on Bottom Layer "VDD18_L02" (solid, remove dead copper, pour order 33): 658.81,280.19 643.68,265.06 643.68,177.41 660.67,160.41 731.68,160.41 747.45,176.19 747.25,266.21 733.27,280.19
VDDIO on Bottom Layer "VDD18_L02" (solid, remove dead copper, pour order 30): 538.73,406.06 538.73,315.44 554.23,299.94 720.15,299.94 720.15,406.06
VDD33_SOM on Bottom Layer "VDD18_L02" (solid, remove dead copper, pour order 24): 2745.21,1663 2721.8,1686.41 2019.34,1686.41 1900.19,1805.57 1112.39,1805.57 1094.49,1823.47 1094.49,1896.84 1111.85,1914.2 1112.33,1913.73 1937.76,1913.73 2066.49,1785 2832.52,1785 2832.52,1663
FT_VDD18 on Bottom Layer "FT_VDD18_L02_P019" (solid, remove dead copper, pour order 19): 1090,977 1080.78,986.22 1013.78,986.22 1002.39,997.61 1002.39,1192.39 918.21,1276.57 918.21,1379.98 908.73,1389.46 881.46,1389.46 871.65,1379.65 871.65,1236.87 939.36,1169.16 939.36,874.5 904.88,840.02 584.09,840.02 558.97,865.14 558.97,1132.55 617.62,1191.19 617.62,1344.45 610.74,1351.33 559.69,1351.33 553.11,1344.75 553.11,1192.87 520.89,1160.65 520.89,985.89 507.88,972.88 421.7,972.88 413.69,964.87 413.69,936.45 422.98,927.17 507.53,927.17 520.89,913.8 520.89,814.4 550.12,785.17 956.57,785.17 1002.39,830.99 1002.39,934.56 1014.6,946.77 1082.08,946.77 1090,954.69

## Keep-outs
Keep-Out Layer:
  the board outline again, w10

## Other copper
Top Layer:
  rectangle net ID_SCL: 2370,798 2470,883
  rectangle net GPIO_2: 2868,620 2928,770
  rectangle net RESET_N: 1725,450 1820,510
  rectangle net RESET_N: 1770,400 1830,565
  rectangle net GPIO_1: 1467,665 1527,780
  rectangle net GPIO_0: 1372,665 1427,795
  rectangle net VDD33: 1015,280 1160,330
  pour cut-out: 2255,1430 2255,1420 2200.61,1420.01 2200.61,1430
  pour cut-out: 1080,939.56 1080,948.66 1016.65,948.66 1016.85,939.56
  pour cut-out: 1585,825 1575,825 1575.01,879.39 1585,879.39
  region net HOST_SSN: 2120.38,746 2225,746 2225,681 2189,645 2120.38,645
  pour cut-out: 1078.7,942.5 1078.7,911 1086,911 1087.8,912.8 1087.8,942.7
  pour cut-out: 406.7,1162.5 435.1,1162.5 436.6,1161 436.6,1158.6 407.1,1158.6 406.2,1157.7
  pour cut-out: 2121.7,989.8 2121.5,989.6 2121.5,968.1 2126.2,968.1 2129,970.9 2129,990.3
  pour cut-out: 2312.9,995.2
  pour cut-out: 2301.4,979.2 2333.3,979.2 2334.3,978.2 2332.8,976.7 2332.8,970.7 2300.9,970.7 2299.4,969.2
  pour cut-out: 1600,889.3 1600.01,889.29 1649.61,889.29 1649.61,883.84 1607.99,883.84
  region net VDD33: 3579,1453 3569,1443 3569,1361 3580,1350 3822,1350 3831,1359 3831,1443 3821,1453
  region: 3573,1451
  region: 3573,1451
  region net VDD33: 318,1600 318,1590.67 414,1590.67 414,1616.67 334.67,1616.67
  region net VDD33: 2359.28,427.29 2359.28,358.27 2437.6,358.27 2437.6,417.13 2427.44,427.29
  pour cut-out: 1252,754
  pour cut-out: 2909,1667 2910,1666 2910,1532 2896,1532 2895,1531 2895,1667
  pour cut-out: 1123,1729 1123,1712 1122,1711 1118,1711 1118,1729
  pour cut-out: 472,1805 472,1771 483,1771 483,1805
  pour cut-out: 532,1798 532,1764 543,1764 543,1798
  region net NetC3_1: 322,1584 322,1482 310,1470 310,1446.65 357.08,1446.65 360,1449.57 360,1582 358,1584
  region: 316,1592
  region: 334,1613
  pour cut-out: 1152,1907 1126,1907 1126,1840 1152,1840
  pour cut-out: 1389.81,1504.81 1525,1640 1567,1640 1567,1633 1409.31,1476.5 1154.58,1476.5 1154.58,1503.68
  region net VDD18: 660.29,62.71 644,79 644,290 749.01,290 748.66,77.85 733.52,62.71
Bottom Layer:
  rectangle net HOST_SSN: 2125.15,645 2225,746
  rectangle net GPIO_2: 2855,620 2945,770
  rectangle net RESET_N: 1770,400 1830,565
  rectangle net GPIO_1: 1467,665 1527,780
  rectangle net GPIO_0: 1372,665 1427,795
  pour cut-out: 2782.6,502.6 2782.3,502.9 2782.3,553.7 2767.6,553.7 2768.5,552.8 2768.5,502.3
  pour cut-out: 2736.6,533.4 2736.9,533.7 2787.7,533.7 2787.7,548.4 2786.8,547.5 2736.3,547.5
  pour cut-out: 2290.16,512.33 2370,512.8 2370,535 2289.68,535
  region net ID_SCL: 2368,678 2415,678 2430,693 2430,890 2368,890
  region net VDD33: 1015,480 1015,280 1160,280 1160,505 1040,505
  region net VDDUSB: 256.67,1413.72 310.72,1413.72 310.72,1269.83 256.67,1323.88
  pour cut-out: 1876.5,925.6 1876.7,925.4 1940.2,925.4 1940.2,920.1 1940,919.9 1939.2,920.7 1875.7,920.7
  pour cut-out: 2827.4,442.4 2827.7,442.1 2827.7,391.3 2842.4,391.3 2841.5,392.2 2841.5,442.7
  pour cut-out: 2823,440.9
  pour cut-out: 2778.6,650.5 2778.6,791.7 2785.2,798.3 2795.8,798.3 2795.8,652.6 2792.9,649.7
  pour cut-out: 3324.3,1716.4 3324.4,1716.3 3324.4,1678 3318,1678 3315.9,1680.1 3315.9,1716.3
  pour cut-out: 3327.5,1717.5
  region net VDD33: 207,1454 213,1448 296,1448 416,1568 416,1631.24 410.24,1637 348,1637 342,1631 342,1581 279,1518 212,1518 207,1513
  pour cut-out: 3145,1360 3131,1360 3131,1363 3145,1377 3145,1393 3242,1393 3242,1360

## Silkscreen, mask and mechanical layers (free items; w line width, h text height)
Top Overlay:
  drawing of 4152 lines, arcs and shapes, not listed
  text "INT" at 3775.98,1649.25 h39.37 r90
  text "GP1" at 3568.33,1647.15 h39.37 r90
  text "GP0" at 3466.59,1644.37 h39.37 r90
  text "GP2" at 3672.15,1645.06 h39.37 r90
  text "VDD33" at 2956.69,1590.55 h39.37
  text "GND" at 3385,1440 h39.37
  text "VDD18" at 2956.69,1389.76 h39.37
  text "VDD33" at 3345,1340 h39.37
  text "GND" at 3768.76,1238.75 h39.37
  text "VDDIO" at 2964.57,1188.98 h39.37
  text "GND" at 3768.76,1039 h39.37
  text "VDD12" at 2956.69,988.19 h39.37
  text "GND" at 3768.76,838.42 h39.37
  text "VDD33" at 2947.83,790.35 h39.37
  text "GND" at 3768.76,639 h39.37
  text "Vision SoM breakout board" at 1595,595 h99.37
  text "VDD33" at 2952.76,588.58 h39.37
  text "4" at 858.92,535.21 h39.37
  text "1" at 582.03,535.1 h39.37
  text "2" at 681.44,535.1 h39.37
  text "3" at 768.08,535.1 h39.37
  text "5" at 991.48,534.11 h39.37
  text "6" at 1085.97,534.11 h39.37
  text "7" at 1192.27,534.11 h39.37
  text "8" at 1284.79,534.11 h39.37
  text "GND" at 3768.76,439 h39.37
  text "PMOD" at 2078.74,377.95 h50
  text "FPGA RESET" at 1535.74,334.71 h47.24
  text "Mic" at 3250.67,209.69 h50
  text "PROGN" at 1190.59,30.56 h39.37
  text "LDO" at 963.48,26.34 h39.37
  text "CRAM" at 1053.48,27.04 h39.37
  text "3.3V" at 550.98,23.88 h39.37
  text "1.8V" at 659.45,23.88 h39.37
  text "IRLED" at 744.09,23.44 h39.37
  text "RST" at 860.24,23.88 h39.37
Bottom Overlay:
  circle w10: c780.53,1389.53 r60
  lines w10: 739.53,1350.53 818.53,1429.53
  text "W" at 832.46,1610.54 h150
  text "Pb" at 818.53,1357.6 h100
Drill Drawing:
  drawing of 271 lines, arcs and shapes, not listed
  text "Layer" at 5438.8,3221.71 h60
  text "Name" at 5848.71,3221.71 h60
  text "Material" at 6778.45,3221.71 h60
  text "Thickness" at 7638.22,3221.71 h60
  text "Constant" at 8288.06,3221.71 h60
  text "Board Layer Stack" at 8857.92,3221.71 h60
  text "Top Overlay" at 5848.71,3101.71 h60
  text "Top Solder" at 5848.71,2981.71 h60
  text "Solder Resist" at 6778.45,2981.71 h60
  text "0.40mil" at 7638.22,2981.71 h60
  text "3.5" at 8288.06,2981.71 h60
  text "1" at 5438.8,2861.71 h60
  text "Top Layer" at 5848.71,2861.71 h60
  text "Copper" at 6778.45,2861.71 h60
  text "1.40mil" at 7638.22,2861.71 h60
  text "Dielectric 1" at 5848.71,2741.71 h60
  text "FR-4" at 6778.45,2741.71 h60
  text "59.06mil" at 7638.22,2741.71 h60
  text "4.8" at 8288.06,2741.71 h60
  text "2" at 5438.8,2621.71 h60
  text "Bottom Layer" at 5848.71,2621.71 h60
  text "Copper" at 6778.45,2621.71 h60
  text "1.40mil" at 7638.22,2621.71 h60
  text "Bottom Solder" at 5848.71,2501.71 h60
  text "Solder Resist" at 6778.45,2501.71 h60
  text "0.40mil" at 7638.22,2501.71 h60
  text "3.5" at 8288.06,2501.71 h60
  text "Bottom Overlay" at 5848.71,2381.71 h60
  text "Symbol" at 5447.73,1740.14 h72
  text "Count" at 5953.61,1740.14 h72
  text "Hole Size" at 6553.45,1740.14 h72
  text "Plated" at 7703.11,1740.14 h72
  text "Hole Type" at 8208.99,1740.14 h72
  text "Drill Layer Pair" at 8942.79,1740.14 h72
  text "Via/Pad" at 10442.34,1740.14 h72
  text "Pad Shape" at 11032.19,1740.14 h72
  text "Template" at 12121.87,1740.14 h72
  text "1" at 5953.61,1590.14 h60
  text "40.00mil (1.016mm)" at 6553.45,1590.14 h60
  text "NPTH" at 7703.11,1590.14 h60
  text "Round" at 8208.99,1590.14 h60
  text "Top Layer - Bottom Layer" at 8942.79,1590.14 h60
  text "Pad" at 10442.34,1590.14 h60
  text "Rounded" at 11032.19,1590.14 h60
  text "c102hn102m102" at 12121.87,1590.14 h60
  text "1" at 5953.61,1440.14 h60
  text "110.24mil (2.800mm)" at 6553.45,1440.14 h60
  text "NPTH" at 7703.11,1440.14 h60
  text "Round" at 8208.99,1440.14 h60
  text "Top Layer - Bottom Layer" at 8942.79,1440.14 h60
  text "Pad" at 10442.34,1440.14 h60
  text "Rounded" at 11032.19,1440.14 h60
  text "c140hn280" at 12121.87,1440.14 h60
  text "2" at 5953.61,1290.14 h60
  text "23.62mil (0.600mm)" at 6553.45,1290.14 h60
  text "PTH" at 7703.11,1290.14 h60
  text "Slot" at 8208.99,1290.14 h60
  text "Top Layer - Bottom Layer" at 8942.79,1290.14 h60
  text "Pad" at 10442.34,1290.14 h60
  text "Rounded Rectangle" at 11032.19,1290.14 h60
  text "r190_150h60_130r50" at 12121.87,1290.14 h60
  text "2" at 5953.61,1140.14 h60
  text "25.59mil (0.650mm)" at 6553.45,1140.14 h60
  text "PTH" at 7703.11,1140.14 h60
  text "Slot" at 8208.99,1140.14 h60
  text "Top Layer - Bottom Layer" at 8942.79,1140.14 h60
  text "Pad" at 10442.34,1140.14 h60
  text "Rounded" at 11032.19,1140.14 h60
  text "r120_90h65_85r100" at 12121.87,1140.14 h60
  text "2" at 5953.61,990.14 h60
  text "86.61mil (2.200mm)" at 6553.45,990.14 h60
  text "PTH" at 7703.11,990.14 h60
  text "Round" at 8208.99,990.14 h60
  text "Top Layer - Bottom Layer" at 8942.79,990.14 h60
  text "Pad" at 10442.34,990.14 h60
  text "Rounded" at 11032.19,990.14 h60
  text "c420h220" at 12121.87,990.14 h60
  text "4" at 5953.61,840.14 h60
  text "108.27mil (2.750mm)" at 6553.45,840.14 h60
  text "PTH" at 7703.11,840.14 h60
  text "Round" at 8208.99,840.14 h60
  text "Top Layer - Bottom Layer" at 8942.79,840.14 h60
  text "Pad" at 10442.34,840.14 h60
  text "Rounded" at 11032.19,840.14 h60
  text "c620h275z450p935" at 12121.87,840.14 h60
  text "42" at 5953.61,690.14 h60
  text "19.69mil (0.500mm)" at 6553.45,690.14 h60
  text "PTH" at 7703.11,690.14 h60
  text "Round" at 8208.99,690.14 h60
  text "Top Layer - Bottom Layer" at 8942.79,690.14 h60
  text "Via" at 10442.34,690.14 h60
  text "Rounded" at 11032.19,690.14 h60
  text "(Mixed)" at 12121.87,690.14 h60
  text "147" at 5953.61,540.14 h60
  text "35.43mil (0.900mm)" at 6553.45,540.14 h60
  text "PTH" at 7703.11,540.14 h60
  text "Round" at 8208.99,540.14 h60
  text "Top Layer - Bottom Layer" at 8942.79,540.14 h60
  text "Pad" at 10442.34,540.14 h60
  text "(Mixed)" at 11032.19,540.14 h60
  text "(Mixed)" at 12121.87,540.14 h60
  text "384" at 5953.61,390.14 h60
  text "11.81mil (0.300mm)" at 6553.45,390.14 h60
  text "PTH" at 7703.11,390.14 h60
  text "Round" at 8208.99,390.14 h60
  text "Top Layer - Bottom Layer" at 8942.79,390.14 h60
  text "Via" at 10442.34,390.14 h60
  text "Rounded" at 11032.19,390.14 h60
  text "(Mixed)" at 12121.87,390.14 h60
  text "585 Total" at 5953.61,240.14 h60
  text "Slot definitions :" at 5447.73,95.17 h60
  text "Routed Path Length" at 6480.42,95.17 h60
  text "= Calculated from tool start centre position to tool end centre position." at 7583.09,95.17 h60
  text "Hole Length" at 6480.42,-4.81 h60
  text "= Routed Path Length + Tool Size = Slot length as defined in the PCB layout" at 7173.22,-4.81 h60

## Dimensions
0,0 to 0,2047.24 on Drill Drawing
0,0 to 3858.27,0 on Drill Drawing

## Text inside footprints (layer, text, board x,y; h text height)
FB1: Mechanical 6 "Land Pattern Adapted for Reflow Soldering" at 375,880.91 h1.97 r270
FB2: Mechanical 6 "Land Pattern Adapted for Reflow Soldering" at 363.38,1116.63 h1.97 r90
LEFT1: Top Overlay "2" at 1690,1770 h50; Top Overlay "1" at 1590,1770 h50; Top Overlay "16" at 1680.38,905.51 h50; Top Overlay "15" at 1578.41,904.53 h50
P7: Top Overlay "12" at 2446.46,294.09 h50; Top Overlay "1" at 2450.39,175.98 h50; Top Overlay "1" at 2474.02,175.98 h50; Top Overlay "2" at 1816.54,282.28 h50; Top Overlay "1" at 1820.47,187.8 h50
RIGHT1: Top Overlay "2" at 2890,1770 h50; Top Overlay "1" at 2795,1770 h50; Top Overlay "16" at 2880,905 h50; Top Overlay "15" at 2775,905 h50